# KiCad board Keyboard.kicad_pcb
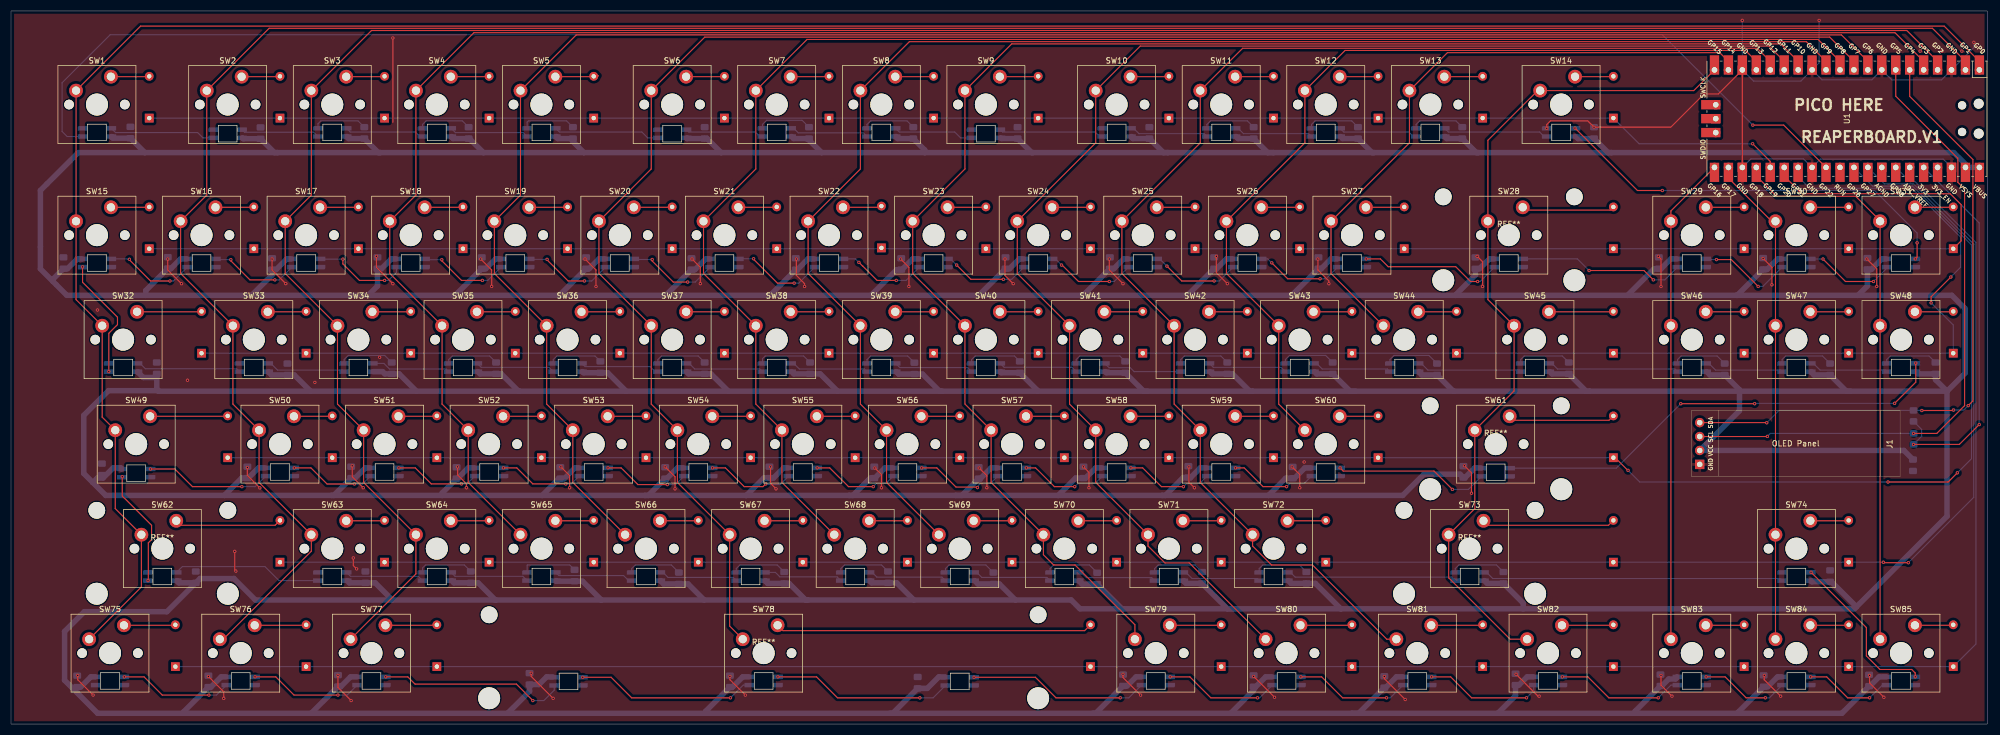
[diagram p0: board, top side]
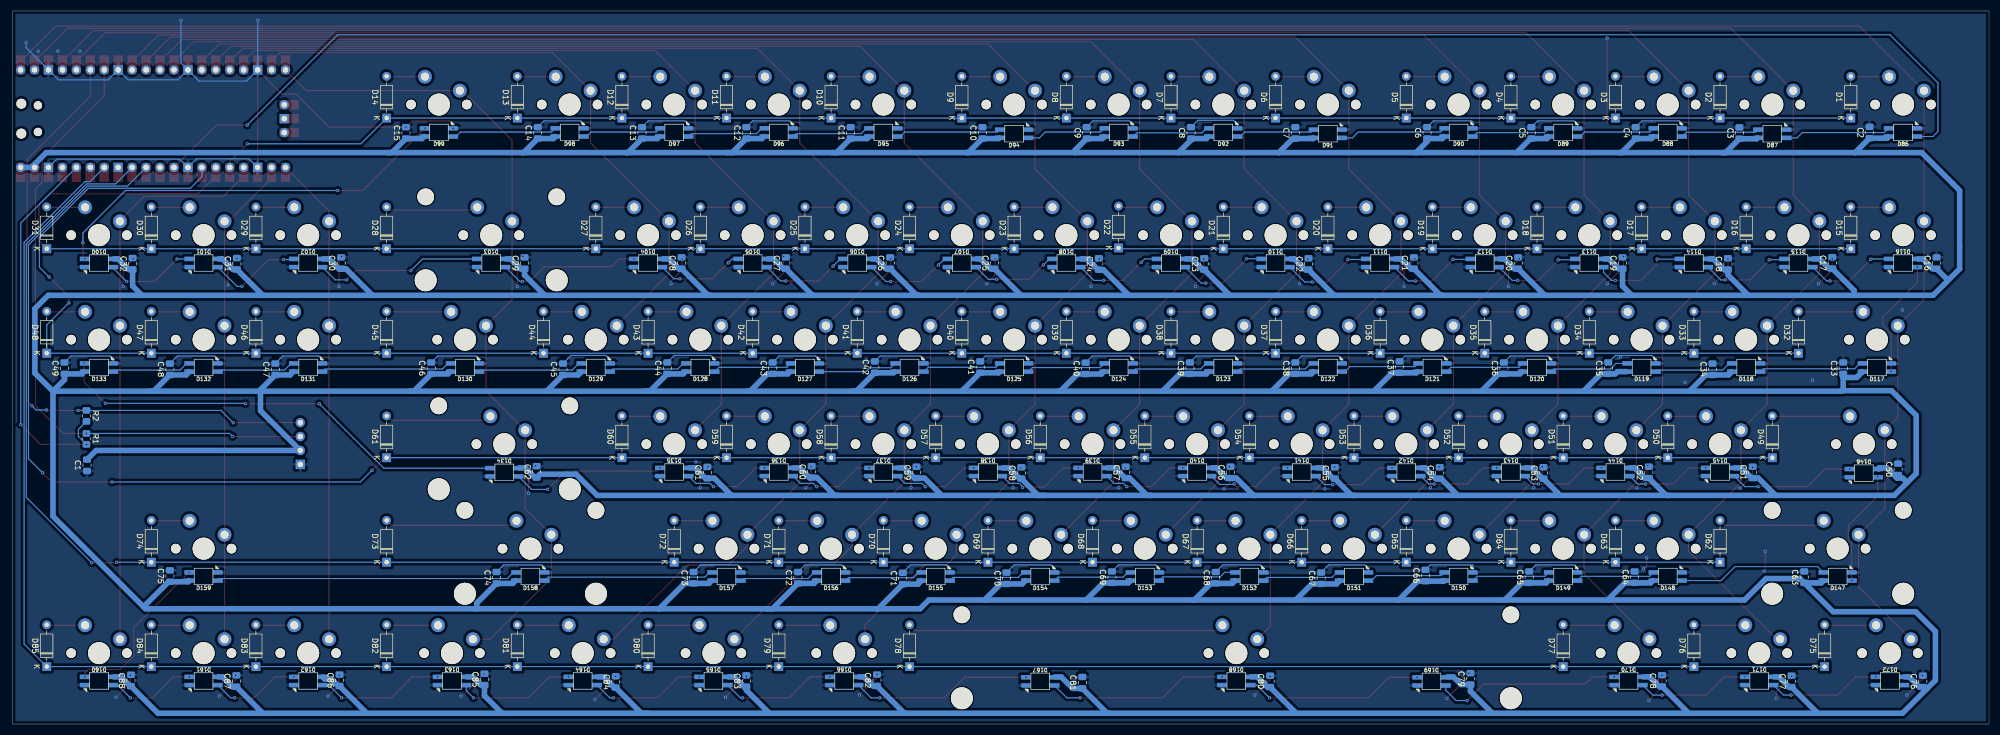
[diagram p1: board, bottom side, seen from below]

Outline 360 x 130 mm; copper layers: Top, Bottom. Coordinates in mm from the lower left corner of the outline.
Outline path: rectangle 0,130 360,0

## Placement (name value [footprint] x y rotation side)
C1  1uf  [C_0805_2012Metric_Pad1.18x1.45mm_HandSolder]  346.46 47.18 90 bottom
C2  C  [C_0805_2012Metric_Pad1.18x1.45mm_HandSolder]  21.76 107.84 90 bottom
C3  C  [C_0805_2012Metric_Pad1.18x1.45mm_HandSolder]  45.46 107.74 90 bottom
C4  C  [C_0805_2012Metric_Pad1.18x1.45mm_HandSolder]  64.36 107.78 90 bottom
C5  C  [C_0805_2012Metric_Pad1.18x1.45mm_HandSolder]  83.36 107.78 90 bottom
C6  C  [C_0805_2012Metric_Pad1.18x1.45mm_HandSolder]  102.36 107.78 90 bottom
C7  C  [C_0805_2012Metric_Pad1.18x1.45mm_HandSolder]  126.36 107.78 90 bottom
C8  C  [C_0805_2012Metric_Pad1.18x1.45mm_HandSolder]  145.36 107.78 90 bottom
C9  C  [C_0805_2012Metric_Pad1.18x1.45mm_HandSolder]  164.36 107.78 90 bottom
C10  C  [C_0805_2012Metric_Pad1.18x1.45mm_HandSolder]  183.36 107.78 90 bottom
C11  C  [C_0805_2012Metric_Pad1.18x1.45mm_HandSolder]  207.36 107.78 90 bottom
C12  C  [C_0805_2012Metric_Pad1.18x1.45mm_HandSolder]  226.36 107.78 90 bottom
C13  C  [C_0805_2012Metric_Pad1.18x1.45mm_HandSolder]  245.36 107.78 90 bottom
C14  C  [C_0805_2012Metric_Pad1.18x1.45mm_HandSolder]  264.36 107.78 90 bottom
C15  C  [C_0805_2012Metric_Pad1.18x1.45mm_HandSolder]  288.36 107.78 90 bottom
C16  C  [C_0805_2012Metric_Pad1.18x1.45mm_HandSolder]  9.56 84.05 90 bottom
C17  C  [C_0805_2012Metric_Pad1.18x1.45mm_HandSolder]  28.56 84.08 90 bottom
C18  C  [C_0805_2012Metric_Pad1.18x1.45mm_HandSolder]  47.56 83.88 90 bottom
C19  C  [C_0805_2012Metric_Pad1.18x1.45mm_HandSolder]  66.76 84.05 90 bottom
C20  C  [C_0805_2012Metric_Pad1.18x1.45mm_HandSolder]  85.76 84.05 90 bottom
C21  C  [C_0805_2012Metric_Pad1.18x1.45mm_HandSolder]  104.76 84.05 90 bottom
C22  C  [C_0805_2012Metric_Pad1.18x1.45mm_HandSolder]  123.96 83.88 90 bottom
C23  C  [C_0805_2012Metric_Pad1.18x1.45mm_HandSolder]  142.96 83.88 90 bottom
C24  C  [C_0805_2012Metric_Pad1.18x1.45mm_HandSolder]  162.16 83.88 90 bottom
C25  C  [C_0805_2012Metric_Pad1.18x1.45mm_HandSolder]  181.16 84.05 90 bottom
C26  C  [C_0805_2012Metric_Pad1.18x1.45mm_HandSolder]  200.16 84.05 90 bottom
C27  C  [C_0805_2012Metric_Pad1.18x1.45mm_HandSolder]  219.16 84.05 90 bottom
C28  C  [C_0805_2012Metric_Pad1.18x1.45mm_HandSolder]  238.16 84.05 90 bottom
C29  C  [C_0805_2012Metric_Pad1.18x1.45mm_HandSolder]  266.76 84.04 90 bottom
C30  C  [C_0805_2012Metric_Pad1.18x1.45mm_HandSolder]  300.16 84.05 90 bottom
C31  C  [C_0805_2012Metric_Pad1.18x1.45mm_HandSolder]  319.16 83.92 90 bottom
C32  C  [C_0805_2012Metric_Pad1.18x1.45mm_HandSolder]  338.16 83.92 90 bottom
C33  C  [C_0805_2012Metric_Pad1.18x1.45mm_HandSolder]  26.56 64.88 90 bottom
C34  C  [C_0805_2012Metric_Pad1.18x1.45mm_HandSolder]  50.36 64.68 90 bottom
C35  C  [C_0805_2012Metric_Pad1.18x1.45mm_HandSolder]  69.36 64.88 90 bottom
C36  C  [C_0805_2012Metric_Pad1.18x1.45mm_HandSolder]  88.36 64.88 90 bottom
C37  C  [C_0805_2012Metric_Pad1.18x1.45mm_HandSolder]  107.36 65.08 90 bottom
C38  C  [C_0805_2012Metric_Pad1.18x1.45mm_HandSolder]  126.36 64.88 90 bottom
C39  C  [C_0805_2012Metric_Pad1.18x1.45mm_HandSolder]  145.56 64.88 90 bottom
C40  C  [C_0805_2012Metric_Pad1.18x1.45mm_HandSolder]  164.56 64.84 90 bottom
C41  C  [C_0805_2012Metric_Pad1.18x1.45mm_HandSolder]  183.76 65.08 90 bottom
C42  C  [C_0805_2012Metric_Pad1.18x1.45mm_HandSolder]  202.96 65.08 90 bottom
C43  C  [C_0805_2012Metric_Pad1.18x1.45mm_HandSolder]  221.56 64.88 90 bottom
C44  C  [C_0805_2012Metric_Pad1.18x1.45mm_HandSolder]  240.76 64.88 90 bottom
C45  C  [C_0805_2012Metric_Pad1.18x1.45mm_HandSolder]  259.76 64.68 90 bottom
C46  C  [C_0805_2012Metric_Pad1.18x1.45mm_HandSolder]  283.76 64.88 90 bottom
C47  C  [C_0805_2012Metric_Pad1.18x1.45mm_HandSolder]  312.16 64.68 90 bottom
C48  C  [C_0805_2012Metric_Pad1.18x1.45mm_HandSolder]  331.36 64.68 90 bottom
C49  C  [C_0805_2012Metric_Pad1.18x1.45mm_HandSolder]  350.56 64.88 90 bottom
C50  C  [C_0805_2012Metric_Pad1.18x1.45mm_HandSolder]  16.56 46.44 90 bottom
C51  C  [C_0805_2012Metric_Pad1.18x1.45mm_HandSolder]  43.06 45.88 90 bottom
C52  C  [C_0805_2012Metric_Pad1.18x1.45mm_HandSolder]  61.96 45.88 90 bottom
C53  C  [C_0805_2012Metric_Pad1.18x1.45mm_HandSolder]  81.16 45.78 90 bottom
C54  C  [C_0805_2012Metric_Pad1.18x1.45mm_HandSolder]  100.06 45.78 90 bottom
C55  C  [C_0805_2012Metric_Pad1.18x1.45mm_HandSolder]  119.16 45.78 90 bottom
C56  C  [C_0805_2012Metric_Pad1.18x1.45mm_HandSolder]  138.16 45.88 90 bottom
C57  C  [C_0805_2012Metric_Pad1.18x1.45mm_HandSolder]  157.26 45.88 90 bottom
C58  C  [C_0805_2012Metric_Pad1.18x1.45mm_HandSolder]  176.26 45.78 90 bottom
C59  C  [C_0805_2012Metric_Pad1.18x1.45mm_HandSolder]  195.36 45.88 90 bottom
C60  C  [C_0805_2012Metric_Pad1.18x1.45mm_HandSolder]  214.46 45.98 90 bottom
C61  C  [C_0805_2012Metric_Pad1.18x1.45mm_HandSolder]  233.46 45.84 90 bottom
C62  C  [C_0805_2012Metric_Pad1.18x1.45mm_HandSolder]  264.56 45.98 90 bottom
C63  C  [C_0805_2012Metric_Pad1.18x1.45mm_HandSolder]  33.66 26.78 90 bottom
C64  C  [C_0805_2012Metric_Pad1.18x1.45mm_HandSolder]  64.56 26.78 90 bottom
C65  C  [C_0805_2012Metric_Pad1.18x1.45mm_HandSolder]  83.76 26.78 90 bottom
C66  C  [C_0805_2012Metric_Pad1.18x1.45mm_HandSolder]  102.66 27.08 90 bottom
C67  C  [C_0805_2012Metric_Pad1.18x1.45mm_HandSolder]  121.66 26.58 90 bottom
C68  C  [C_0805_2012Metric_Pad1.18x1.45mm_HandSolder]  140.86 26.68 90 bottom
C69  C  [C_0805_2012Metric_Pad1.18x1.45mm_HandSolder]  159.76 26.78 90 bottom
C70  C  [C_0805_2012Metric_Pad1.18x1.45mm_HandSolder]  178.96 26.58 90 bottom
C71  C  [C_0805_2012Metric_Pad1.18x1.45mm_HandSolder]  197.86 26.54 90 bottom
C72  C  [C_0805_2012Metric_Pad1.18x1.45mm_HandSolder]  216.96 26.68 90 bottom
C73  C  [C_0805_2012Metric_Pad1.18x1.45mm_HandSolder]  235.96 26.68 90 bottom
C74  C  [C_0805_2012Metric_Pad1.18x1.45mm_HandSolder]  271.86 26.68 90 bottom
C75  C  [C_0805_2012Metric_Pad1.18x1.45mm_HandSolder]  331.36 26.98 90 bottom
C76  C  [C_0805_2012Metric_Pad1.18x1.45mm_HandSolder]  12.06 7.78 90 bottom
C77  C  [C_0805_2012Metric_Pad1.18x1.45mm_HandSolder]  35.96 7.78 90 bottom
C78  C  [C_0805_2012Metric_Pad1.18x1.45mm_HandSolder]  59.56 7.88 90 bottom
C79  C  [C_0805_2012Metric_Pad1.18x1.45mm_HandSolder]  94.46 8.24 90 bottom
C80  C  [C_0805_2012Metric_Pad1.18x1.45mm_HandSolder]  130.96 7.78 90 bottom
C81  C  [C_0805_2012Metric_Pad1.18x1.45mm_HandSolder]  165.16 7.54 90 bottom
C82  C  [C_0805_2012Metric_Pad1.18x1.45mm_HandSolder]  202.56 7.98 90 bottom
C83  C  [C_0805_2012Metric_Pad1.18x1.45mm_HandSolder]  226.36 7.84 90 bottom
C84  C  [C_0805_2012Metric_Pad1.18x1.45mm_HandSolder]  250.16 7.68 90 bottom
C85  C  [C_0805_2012Metric_Pad1.18x1.45mm_HandSolder]  274.06 8.14 90 bottom
C86  C  [C_0805_2012Metric_Pad1.18x1.45mm_HandSolder]  300.46 7.98 90 bottom
C87  C  [C_0805_2012Metric_Pad1.18x1.45mm_HandSolder]  319.26 7.84 90 bottom
C88  C  [C_0805_2012Metric_Pad1.18x1.45mm_HandSolder]  338.46 7.94 90 bottom
D1  D  [D_DO-35_SOD27_P7.62mm_Horizontal]  25.18 110.47 90 bottom
D2  D  [D_DO-35_SOD27_P7.62mm_Horizontal]  49 110.47 90 bottom
D3  D  [D_DO-35_SOD27_P7.62mm_Horizontal]  68.05 110.47 90 bottom
D4  D  [D_DO-35_SOD27_P7.62mm_Horizontal]  87.1 110.47 90 bottom
D5  D  [D_DO-35_SOD27_P7.62mm_Horizontal]  106.15 110.47 90 bottom
D6  D  [D_DO-35_SOD27_P7.62mm_Horizontal]  129.96 110.47 90 bottom
D7  D  [D_DO-35_SOD27_P7.62mm_Horizontal]  149.01 110.47 90 bottom
D8  D  [D_DO-35_SOD27_P7.62mm_Horizontal]  168.06 110.47 90 bottom
D9  D  [D_DO-35_SOD27_P7.62mm_Horizontal]  187.11 110.47 90 bottom
D10  D  [D_DO-35_SOD27_P7.62mm_Horizontal]  210.92 110.47 90 bottom
D11  D  [D_DO-35_SOD27_P7.62mm_Horizontal]  229.97 110.47 90 bottom
D12  D  [D_DO-35_SOD27_P7.62mm_Horizontal]  249.02 110.47 90 bottom
D13  D  [D_DO-35_SOD27_P7.62mm_Horizontal]  268.07 110.47 90 bottom
D14  D  [D_DO-35_SOD27_P7.62mm_Horizontal]  291.88 110.47 90 bottom
D15  D  [D_DO-35_SOD27_P7.62mm_Horizontal]  25.18 86.66 90 bottom
D16  D  [D_DO-35_SOD27_P7.62mm_Horizontal]  44.23 86.66 90 bottom
D17  D  [D_DO-35_SOD27_P7.62mm_Horizontal]  63.28 86.66 90 bottom
D18  D  [D_DO-35_SOD27_P7.62mm_Horizontal]  82.33 86.66 90 bottom
D19  D  [D_DO-35_SOD27_P7.62mm_Horizontal]  101.38 86.66 90 bottom
D20  D  [D_DO-35_SOD27_P7.62mm_Horizontal]  120.43 86.66 90 bottom
D21  D  [D_DO-35_SOD27_P7.62mm_Horizontal]  139.48 86.66 90 bottom
D22  D  [D_DO-35_SOD27_P7.62mm_Horizontal]  158.56 86.81 90 bottom
D23  D  [D_DO-35_SOD27_P7.62mm_Horizontal]  177.58 86.66 90 bottom
D24  D  [D_DO-35_SOD27_P7.62mm_Horizontal]  196.63 86.66 90 bottom
D25  D  [D_DO-35_SOD27_P7.62mm_Horizontal]  215.68 86.66 90 bottom
D26  D  [D_DO-35_SOD27_P7.62mm_Horizontal]  234.73 86.66 90 bottom
D27  D  [D_DO-35_SOD27_P7.62mm_Horizontal]  253.78 86.66 90 bottom
D28  D  [D_DO-35_SOD27_P7.62mm_Horizontal]  291.88 86.66 90 bottom
D29  D  [D_DO-35_SOD27_P7.62mm_Horizontal]  315.7 86.66 90 bottom
D30  D  [D_DO-35_SOD27_P7.62mm_Horizontal]  334.75 86.66 90 bottom
D31  D  [D_DO-35_SOD27_P7.62mm_Horizontal]  353.8 86.66 90 bottom
D32  D  [D_DO-35_SOD27_P7.62mm_Horizontal]  34.71 67.61 90 bottom
D33  D  [D_DO-35_SOD27_P7.62mm_Horizontal]  53.76 67.61 90 bottom
D34  D  [D_DO-35_SOD27_P7.62mm_Horizontal]  72.81 67.61 90 bottom
D35  D  [D_DO-35_SOD27_P7.62mm_Horizontal]  91.86 67.61 90 bottom
D36  D  [D_DO-35_SOD27_P7.62mm_Horizontal]  110.91 67.61 90 bottom
D37  D  [D_DO-35_SOD27_P7.62mm_Horizontal]  129.96 67.61 90 bottom
D38  D  [D_DO-35_SOD27_P7.62mm_Horizontal]  149.01 67.61 90 bottom
D39  D  [D_DO-35_SOD27_P7.62mm_Horizontal]  168.06 67.61 90 bottom
D40  D  [D_DO-35_SOD27_P7.62mm_Horizontal]  187.11 67.61 90 bottom
D41  D  [D_DO-35_SOD27_P7.62mm_Horizontal]  206.16 67.61 90 bottom
D42  D  [D_DO-35_SOD27_P7.62mm_Horizontal]  225.21 67.61 90 bottom
D43  D  [D_DO-35_SOD27_P7.62mm_Horizontal]  244.26 67.61 90 bottom
D44  D  [D_DO-35_SOD27_P7.62mm_Horizontal]  263.31 67.61 90 bottom
D45  D  [D_DO-35_SOD27_P7.62mm_Horizontal]  291.88 67.61 90 bottom
D46  D  [D_DO-35_SOD27_P7.62mm_Horizontal]  315.7 67.61 90 bottom
D47  D  [D_DO-35_SOD27_P7.62mm_Horizontal]  334.75 67.61 90 bottom
D48  D  [D_DO-35_SOD27_P7.62mm_Horizontal]  353.8 67.61 90 bottom
D49  D  [D_DO-35_SOD27_P7.62mm_Horizontal]  39.47 48.56 90 bottom
D50  D  [D_DO-35_SOD27_P7.62mm_Horizontal]  58.52 48.56 90 bottom
D51  D  [D_DO-35_SOD27_P7.62mm_Horizontal]  77.57 48.56 90 bottom
D52  D  [D_DO-35_SOD27_P7.62mm_Horizontal]  96.62 48.56 90 bottom
D53  D  [D_DO-35_SOD27_P7.62mm_Horizontal]  115.67 48.56 90 bottom
D54  D  [D_DO-35_SOD27_P7.62mm_Horizontal]  134.72 48.56 90 bottom
D55  D  [D_DO-35_SOD27_P7.62mm_Horizontal]  153.77 48.56 90 bottom
D56  D  [D_DO-35_SOD27_P7.62mm_Horizontal]  172.82 48.56 90 bottom
D57  D  [D_DO-35_SOD27_P7.62mm_Horizontal]  191.87 48.56 90 bottom
D58  D  [D_DO-35_SOD27_P7.62mm_Horizontal]  210.92 48.56 90 bottom
D59  D  [D_DO-35_SOD27_P7.62mm_Horizontal]  229.97 48.56 90 bottom
D60  D  [D_DO-35_SOD27_P7.62mm_Horizontal]  249.02 48.56 90 bottom
D61  D  [D_DO-35_SOD27_P7.62mm_Horizontal]  291.88 48.56 90 bottom
D62  D  [D_DO-35_SOD27_P7.62mm_Horizontal]  49 29.51 90 bottom
D63  D  [D_DO-35_SOD27_P7.62mm_Horizontal]  68.05 29.51 90 bottom
D64  D  [D_DO-35_SOD27_P7.62mm_Horizontal]  87.1 29.51 90 bottom
D65  D  [D_DO-35_SOD27_P7.62mm_Horizontal]  106.15 29.51 90 bottom
D66  D  [D_DO-35_SOD27_P7.62mm_Horizontal]  125.2 29.51 90 bottom
D67  D  [D_DO-35_SOD27_P7.62mm_Horizontal]  144.25 29.51 90 bottom
D68  D  [D_DO-35_SOD27_P7.62mm_Horizontal]  163.3 29.51 90 bottom
D69  D  [D_DO-35_SOD27_P7.62mm_Horizontal]  182.35 29.51 90 bottom
D70  D  [D_DO-35_SOD27_P7.62mm_Horizontal]  201.4 29.51 90 bottom
D71  D  [D_DO-35_SOD27_P7.62mm_Horizontal]  220.45 29.51 90 bottom
D72  D  [D_DO-35_SOD27_P7.62mm_Horizontal]  239.5 29.51 90 bottom
D73  D  [D_DO-35_SOD27_P7.62mm_Horizontal]  291.88 29.51 90 bottom
D74  D  [D_DO-35_SOD27_P7.62mm_Horizontal]  334.75 29.51 90 bottom
D75  D  [D_DO-35_SOD27_P7.62mm_Horizontal]  29.95 10.47 90 bottom
D76  D  [D_DO-35_SOD27_P7.62mm_Horizontal]  53.76 10.47 90 bottom
D77  D  [D_DO-35_SOD27_P7.62mm_Horizontal]  77.57 10.47 90 bottom
D78  D  [D_DO-35_SOD27_P7.62mm_Horizontal]  196.63 10.47 90 bottom
D79  D  [D_DO-35_SOD27_P7.62mm_Horizontal]  220.45 10.47 90 bottom
D80  D  [D_DO-35_SOD27_P7.62mm_Horizontal]  244.26 10.47 90 bottom
D81  D  [D_DO-35_SOD27_P7.62mm_Horizontal]  268.07 10.47 90 bottom
D82  D  [D_DO-35_SOD27_P7.62mm_Horizontal]  291.88 10.47 90 bottom
D83  D  [D_DO-35_SOD27_P7.62mm_Horizontal]  315.7 10.47 90 bottom
D84  D  [D_DO-35_SOD27_P7.62mm_Horizontal]  334.75 10.47 90 bottom
D85  D  [D_DO-35_SOD27_P7.62mm_Horizontal]  353.8 10.47 90 bottom
D86  SK6812MINI  [SK6812MINI-E]  15.66 107.86 180 bottom
D87  SK6812MINI  [SK6812MINI-E]  39.47 107.62 180 bottom
D88  SK6812MINI  [SK6812MINI-E]  58.52 107.86 180 bottom
D89  SK6812MINI  [SK6812MINI-E]  77.57 107.86 180 bottom
D90  SK6812MINI  [SK6812MINI-E]  96.62 107.86 180 bottom
D91  SK6812MINI  [SK6812MINI-E]  120.43 107.62 180 bottom
D92  SK6812MINI  [SK6812MINI-E]  139.48 107.86 180 bottom
D93  SK6812MINI  [SK6812MINI-E]  158.53 107.86 180 bottom
D94  SK6812MINI  [SK6812MINI-E]  177.58 107.62 180 bottom
D95  SK6812MINI  [SK6812MINI-E]  201.4 107.86 180 bottom
D96  SK6812MINI  [SK6812MINI-E]  220.45 107.86 180 bottom
D97  SK6812MINI  [SK6812MINI-E]  239.5 107.86 180 bottom
D98  SK6812MINI  [SK6812MINI-E]  258.55 107.86 180 bottom
D99  SK6812MINI  [SK6812MINI-E]  282.36 107.86 180 bottom
D100  SK6812MINI  [SK6812MINI-E]  344.27 84.05 0 bottom
D101  SK6812MINI  [SK6812MINI-E]  325.22 84.05 0 bottom
D102  SK6812MINI  [SK6812MINI-E]  306.17 84.05 0 bottom
D103  SK6812MINI  [SK6812MINI-E]  272.83 84.05 0 bottom
D104  SK6812MINI  [SK6812MINI-E]  244.26 84.05 0 bottom
D105  SK6812MINI  [SK6812MINI-E]  225.21 84.05 0 bottom
D106  SK6812MINI  [SK6812MINI-E]  206.16 84.05 0 bottom
D107  SK6812MINI  [SK6812MINI-E]  187.11 84.05 0 bottom
D108  SK6812MINI  [SK6812MINI-E]  168.06 84.05 0 bottom
D109  SK6812MINI  [SK6812MINI-E]  149.01 84.05 0 bottom
D110  SK6812MINI  [SK6812MINI-E]  129.96 84.05 0 bottom
D111  SK6812MINI  [SK6812MINI-E]  110.91 84.05 0 bottom
D112  SK6812MINI  [SK6812MINI-E]  91.86 84.05 0 bottom
D113  SK6812MINI  [SK6812MINI-E]  72.81 84.05 0 bottom
D114  SK6812MINI  [SK6812MINI-E]  53.76 84.05 0 bottom
D115  SK6812MINI  [SK6812MINI-E]  34.71 84.05 0 bottom
D116  SK6812MINI  [SK6812MINI-E]  15.66 84.05 0 bottom
D117  SK6812MINI  [SK6812MINI-E]  20.42 65 180 bottom
D118  SK6812MINI  [SK6812MINI-E]  44.23 65 180 bottom
D119  SK6812MINI  [SK6812MINI-E]  63.28 65 180 bottom
D120  SK6812MINI  [SK6812MINI-E]  82.33 65 180 bottom
D121  SK6812MINI  [SK6812MINI-E]  101.38 65 180 bottom
D122  SK6812MINI  [SK6812MINI-E]  120.43 65 180 bottom
D123  SK6812MINI  [SK6812MINI-E]  139.48 65 180 bottom
D124  SK6812MINI  [SK6812MINI-E]  158.53 65 180 bottom
D125  SK6812MINI  [SK6812MINI-E]  177.58 65 180 bottom
D126  SK6812MINI  [SK6812MINI-E]  196.63 65 180 bottom
D127  SK6812MINI  [SK6812MINI-E]  215.68 65 180 bottom
D128  SK6812MINI  [SK6812MINI-E]  234.73 65 180 bottom
D129  SK6812MINI  [SK6812MINI-E]  253.78 65 180 bottom
D130  SK6812MINI  [SK6812MINI-E]  277.6 65 180 bottom
D131  SK6812MINI  [SK6812MINI-E]  306.17 65 180 bottom
D132  SK6812MINI  [SK6812MINI-E]  325.22 65 180 bottom
D133  SK6812MINI  [SK6812MINI-E]  344.27 65 180 bottom
D134  SK6812MINI  [SK6812MINI-E]  270.45 45.9 0 bottom
D135  SK6812MINI  [SK6812MINI-E]  239.5 45.95 0 bottom
D136  SK6812MINI  [SK6812MINI-E]  220.45 45.95 0 bottom
D137  SK6812MINI  [SK6812MINI-E]  201.4 45.95 0 bottom
D138  SK6812MINI  [SK6812MINI-E]  182.35 45.95 0 bottom
D139  SK6812MINI  [SK6812MINI-E]  163.3 45.95 0 bottom
D140  SK6812MINI  [SK6812MINI-E]  144.25 45.95 0 bottom
D141  SK6812MINI  [SK6812MINI-E]  125.2 45.95 0 bottom
D142  SK6812MINI  [SK6812MINI-E]  106.15 45.95 0 bottom
D143  SK6812MINI  [SK6812MINI-E]  87.1 45.95 0 bottom
D144  SK6812MINI  [SK6812MINI-E]  68.05 45.95 0 bottom
D145  SK6812MINI  [SK6812MINI-E]  49 45.95 0 bottom
D146  SK6812MINI  [SK6812MINI-E]  22.8 45.74 0 bottom
D147  SK6812MINI  [SK6812MINI-E]  27.57 26.9 180 bottom
D148  SK6812MINI  [SK6812MINI-E]  58.52 26.9 180 bottom
D149  SK6812MINI  [SK6812MINI-E]  77.57 26.9 180 bottom
D150  SK6812MINI  [SK6812MINI-E]  96.62 26.9 180 bottom
D151  SK6812MINI  [SK6812MINI-E]  115.67 26.9 180 bottom
D152  SK6812MINI  [SK6812MINI-E]  134.72 26.9 180 bottom
D153  SK6812MINI  [SK6812MINI-E]  153.77 26.9 180 bottom
D154  SK6812MINI  [SK6812MINI-E]  172.82 26.9 180 bottom
D155  SK6812MINI  [SK6812MINI-E]  191.87 26.9 180 bottom
D156  SK6812MINI  [SK6812MINI-E]  210.92 26.9 180 bottom
D157  SK6812MINI  [SK6812MINI-E]  229.97 26.9 180 bottom
D158  SK6812MINI  [SK6812MINI-E]  265.69 26.9 180 bottom
D159  SK6812MINI  [SK6812MINI-E]  325.22 26.9 180 bottom
D160  SK6812MINI  [SK6812MINI-E]  344.27 7.85 0 bottom
D161  SK6812MINI  [SK6812MINI-E]  325.22 7.85 0 bottom
D162  SK6812MINI  [SK6812MINI-E]  306.17 7.85 0 bottom
D163  SK6812MINI  [SK6812MINI-E]  279.98 7.85 0 bottom
D164  SK6812MINI  [SK6812MINI-E]  256.17 7.85 0 bottom
D165  SK6812MINI  [SK6812MINI-E]  232.35 7.85 0 bottom
D166  SK6812MINI  [SK6812MINI-E]  208.54 7.85 0 bottom
D167  SK6812MINI  [SK6812MINI-E]  172.82 7.78 0 bottom
D168  SK6812MINI  [SK6812MINI-E]  137.1 7.85 0 bottom
D169  SK6812MINI  [SK6812MINI-E]  101.56 7.78 0 bottom
D170  SK6812MINI  [SK6812MINI-E]  65.67 7.85 0 bottom
D171  SK6812MINI  [SK6812MINI-E]  41.85 7.85 0 bottom
D172  SK6812MINI  [SK6812MINI-E]  18.04 7.85 0 bottom
J1  Conn_01x04_Pin  [SSD1306-0.91-OLED-4pin-128x32]  344.11 45.14 180 top
R1  4.7kΩ  [R_0805_2012Metric_Pad1.20x1.40mm_HandSolder]  346.56 51.98 270 bottom
R2  4.7kΩ  [R_0805_2012Metric_Pad1.20x1.40mm_HandSolder]  346.56 56.18 270 bottom
REF**  -  [Stabilizer_Cherry_MX_2.00u]  270.45 51.03 0 top
REF**#2  -  [Stabilizer_Cherry_MX_6.25u]  137.1 12.93 0 top
REF**#3  -  [Stabilizer_Cherry_MX_2.00u]  265.69 31.98 0 top
REF**#4  -  [Stabilizer_Cherry_MX_2.00u]  27.57 31.98 0 top
REF**#5  -  [Stabilizer_Cherry_MX_2.00u]  272.83 89.13 0 top
SW1  SW_Push  [SW_Cherry_MX_PCB_1.00u]  15.66 112.94 0 top
SW2  SW_Push  [SW_Cherry_MX_PCB_1.00u]  39.47 112.94 0 top
SW3  SW_Push  [SW_Cherry_MX_PCB_1.00u]  58.52 112.94 0 top
SW4  SW_Push  [SW_Cherry_MX_PCB_1.00u]  77.57 112.94 0 top
SW5  SW_Push  [SW_Cherry_MX_PCB_1.00u]  96.62 112.94 0 top
SW6  SW_Push  [SW_Cherry_MX_PCB_1.00u]  120.43 112.94 0 top
SW7  SW_Push  [SW_Cherry_MX_PCB_1.00u]  139.48 112.94 0 top
SW8  SW_Push  [SW_Cherry_MX_PCB_1.00u]  158.53 112.94 0 top
SW9  SW_Push  [SW_Cherry_MX_PCB_1.00u]  177.58 112.94 0 top
SW10  SW_Push  [SW_Cherry_MX_PCB_1.00u]  201.4 112.94 0 top
SW11  SW_Push  [SW_Cherry_MX_PCB_1.00u]  220.45 112.94 0 top
SW12  SW_Push  [SW_Cherry_MX_PCB_1.00u]  239.5 112.94 0 top
SW13  SW_Push  [SW_Cherry_MX_PCB_1.00u]  258.55 112.94 0 top
SW14  SW_Push  [SW_Cherry_MX_PCB_1.00u]  282.36 112.94 0 top
SW15  SW_Push  [SW_Cherry_MX_PCB_1.00u]  15.66 89.13 0 top
SW16  SW_Push  [SW_Cherry_MX_PCB_1.00u]  34.71 89.13 0 top
SW17  SW_Push  [SW_Cherry_MX_PCB_1.00u]  53.76 89.13 0 top
SW18  SW_Push  [SW_Cherry_MX_PCB_1.00u]  72.81 89.13 0 top
SW19  SW_Push  [SW_Cherry_MX_PCB_1.00u]  91.86 89.13 0 top
SW20  SW_Push  [SW_Cherry_MX_PCB_1.00u]  110.91 89.13 0 top
SW21  SW_Push  [SW_Cherry_MX_PCB_1.00u]  129.96 89.13 0 top
SW22  SW_Push  [SW_Cherry_MX_PCB_1.00u]  149.01 89.13 0 top
SW23  SW_Push  [SW_Cherry_MX_PCB_1.00u]  168.06 89.13 0 top
SW24  SW_Push  [SW_Cherry_MX_PCB_1.00u]  187.11 89.13 0 top
SW25  SW_Push  [SW_Cherry_MX_PCB_1.00u]  206.16 89.13 0 top
SW26  SW_Push  [SW_Cherry_MX_PCB_1.00u]  225.21 89.13 0 top
SW27  SW_Push  [SW_Cherry_MX_PCB_1.00u]  244.26 89.13 0 top
SW28  SW_Push  [SW_Cherry_MX_PCB_2.00u]  272.83 89.13 0 top
SW29  SW_Push  [SW_Cherry_MX_PCB_1.00u]  306.17 89.13 0 top
SW30  SW_Push  [SW_Cherry_MX_PCB_1.00u]  325.22 89.13 0 top
SW31  SW_Push  [SW_Cherry_MX_PCB_1.00u]  344.27 89.13 0 top
SW32  SW_Push  [SW_Cherry_MX_PCB_1.50u]  20.42 70.08 0 top
SW33  SW_Push  [SW_Cherry_MX_PCB_1.00u]  44.23 70.08 0 top
SW34  SW_Push  [SW_Cherry_MX_PCB_1.00u]  63.28 70.08 0 top
SW35  SW_Push  [SW_Cherry_MX_PCB_1.00u]  82.33 70.08 0 top
SW36  SW_Push  [SW_Cherry_MX_PCB_1.00u]  101.38 70.08 0 top
SW37  SW_Push  [SW_Cherry_MX_PCB_1.00u]  120.43 70.08 0 top
SW38  SW_Push  [SW_Cherry_MX_PCB_1.00u]  139.48 70.08 0 top
SW39  SW_Push  [SW_Cherry_MX_PCB_1.00u]  158.53 70.08 0 top
SW40  SW_Push  [SW_Cherry_MX_PCB_1.00u]  177.58 70.08 0 top
SW41  SW_Push  [SW_Cherry_MX_PCB_1.00u]  196.63 70.08 0 top
SW42  SW_Push  [SW_Cherry_MX_PCB_1.00u]  215.68 70.08 0 top
SW43  SW_Push  [SW_Cherry_MX_PCB_1.00u]  234.73 70.08 0 top
SW44  SW_Push  [SW_Cherry_MX_PCB_1.00u]  253.78 70.08 0 top
SW45  SW_Push  [SW_Cherry_MX_PCB_1.50u]  277.6 70.08 0 top
SW46  SW_Push  [SW_Cherry_MX_PCB_1.00u]  306.17 70.08 0 top
SW47  SW_Push  [SW_Cherry_MX_PCB_1.00u]  325.22 70.08 0 top
SW48  SW_Push  [SW_Cherry_MX_PCB_1.00u]  344.27 70.08 0 top
SW49  SW_Push  [SW_Cherry_MX_PCB_1.75u]  22.8 51.03 0 top
SW50  SW_Push  [SW_Cherry_MX_PCB_1.00u]  49 51.03 0 top
SW51  SW_Push  [SW_Cherry_MX_PCB_1.00u]  68.05 51.03 0 top
SW52  SW_Push  [SW_Cherry_MX_PCB_1.00u]  87.1 51.03 0 top
SW53  SW_Push  [SW_Cherry_MX_PCB_1.00u]  106.15 51.03 0 top
SW54  SW_Push  [SW_Cherry_MX_PCB_1.00u]  125.2 51.03 0 top
SW55  SW_Push  [SW_Cherry_MX_PCB_1.00u]  144.25 51.03 0 top
SW56  SW_Push  [SW_Cherry_MX_PCB_1.00u]  163.3 51.03 0 top
SW57  SW_Push  [SW_Cherry_MX_PCB_1.00u]  182.35 51.03 0 top
SW58  SW_Push  [SW_Cherry_MX_PCB_1.00u]  201.4 51.03 0 top
SW59  SW_Push  [SW_Cherry_MX_PCB_1.00u]  220.45 51.03 0 top
SW60  SW_Push  [SW_Cherry_MX_PCB_1.00u]  239.5 51.03 0 top
SW61  SW_Push  [SW_Cherry_MX_PCB_2.25u]  270.45 51.03 0 top
SW62  SW_Push  [SW_Cherry_MX_PCB_2.25u]  27.57 31.98 0 top
SW63  SW_Push  [SW_Cherry_MX_PCB_1.00u]  58.52 31.98 0 top
SW64  SW_Push  [SW_Cherry_MX_PCB_1.00u]  77.57 31.98 0 top
SW65  SW_Push  [SW_Cherry_MX_PCB_1.00u]  96.62 31.98 0 top
SW66  SW_Push  [SW_Cherry_MX_PCB_1.00u]  115.67 31.98 0 top
SW67  SW_Push  [SW_Cherry_MX_PCB_1.00u]  134.72 31.98 0 top
SW68  SW_Push  [SW_Cherry_MX_PCB_1.00u]  153.77 31.98 0 top
SW69  SW_Push  [SW_Cherry_MX_PCB_1.00u]  172.82 31.98 0 top
SW70  SW_Push  [SW_Cherry_MX_PCB_1.00u]  191.87 31.98 0 top
SW71  SW_Push  [SW_Cherry_MX_PCB_1.00u]  210.92 31.98 0 top
SW72  SW_Push  [SW_Cherry_MX_PCB_1.00u]  229.97 31.98 0 top
SW73  SW_Push  [SW_Cherry_MX_PCB_2.75u]  265.69 31.98 0 top
SW74  SW_Push  [SW_Cherry_MX_PCB_1.00u]  325.22 31.98 0 top
SW75  SW_Push  [SW_Cherry_MX_PCB_1.25u]  18.04 12.93 0 top
SW76  SW_Push  [SW_Cherry_MX_PCB_1.25u]  41.85 12.93 0 top
SW77  SW_Push  [SW_Cherry_MX_PCB_1.25u]  65.67 12.93 0 top